# KiCad board SandyLPD_Base.kicad_pcb (continued)
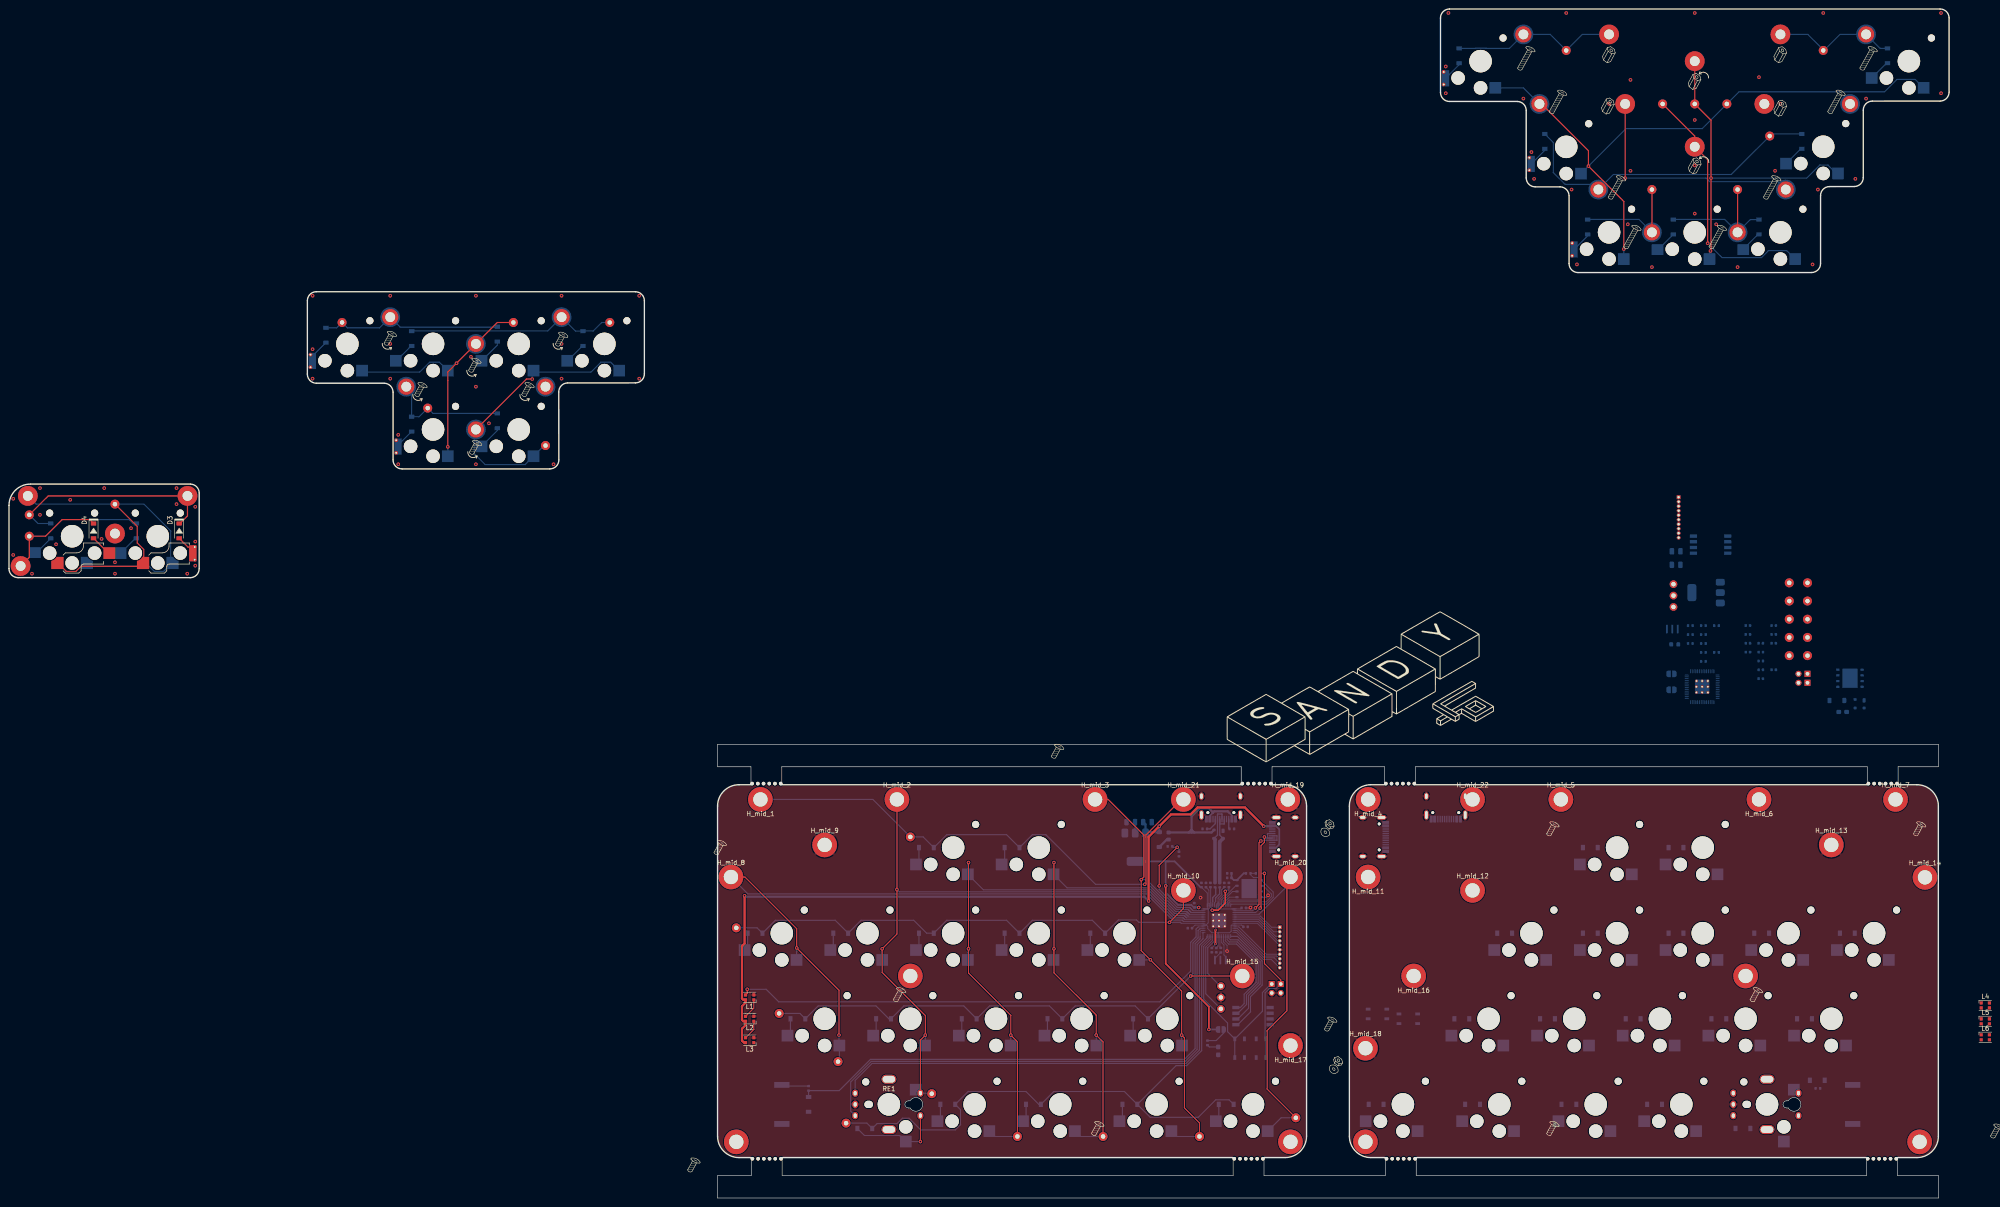
[diagram p0: board, top side]
## Placement (name value [footprint] x y rotation side) (continued)
REF**#94  -  [ICON_arrow_round_small]  161.96 69.85 0 bottom
REF**#95  -  [ICON_Nut]  293.5 45.29 180 bottom
REF**#96  -  [ICON_Nut]  248.64 99.42 180 bottom
REF**#97  -  [ICON_Spacer]  150.97 6.22 180 bottom
REF**#98  -  [ICON_Nut & Washer]  362.29 215.73 0 bottom
REF**#99  -  [ICON_Spacer]  439.7 9.79 180 bottom
REF**#100  -  [ICON_Nut & Washer]  357.1 227.74 0 bottom
SD1  Schottky diode  [D_SOD-123]  255.79 79.77 270 bottom
SD2  Schottky diode  [D_SOD-123]  406.46 110.73 180 bottom
STLED1  LED_GREEN  [LED_0603_1608Metric_Pad1.05x0.95mm_HandSolder]  268.88 32.74 90 bottom
STLED2  LED_GREEN  [LED_0603_1608Metric_Pad1.05x0.95mm_HandSolder]  407.75 108.18 180 bottom
SW1  BOOT_ALT  [SW_SPST_PTS810]  278.41 33.34 270 bottom
SW2  RESET_ALT  [SW_SPST_PTS810]  273.65 33.34 270 bottom
SW3  SW_DIP_x04  [SW_DIP_SPSTx04_Slide_Copal_CHS-04B_W7.62mm_P1.27mm]  276.62 40.48 0 bottom
SW4  BOOT_ALT  [SW_SPST_PTS810]  311.15 39.89 180 bottom
SW5  RESET_ALT  [SW_SPST_PTS810]  304.3 40.96 180 bottom
SW6  SW_DIP_x04  [SW_DIP_SPSTx04_Slide_Copal_CHS-04B_W7.62mm_P1.27mm]  378.37 145.41 180 bottom
SW_1  W  [Kailh_socket_ChocV2]  209.95 77.99 0 top
SW_2  E  [Kailh_socket_ChocV2]  229 77.99 0 top
SW_3  I  [Kailh_socket_ChocV2]  357.58 77.99 0 top
SW_4  O  [Kailh_socket_ChocV2]  376.63 77.99 0 top
SW_5  LCTL  [Kailh_socket_ChocV2]  171.85 58.94 0 top
SW_6  A  [Kailh_socket_ChocV2]  190.9 58.94 0 top
SW_7  S  [Kailh_socket_ChocV2]  209.95 58.94 0 top
SW_8  D  [Kailh_socket_ChocV2]  229 58.94 0 top
SW_9  F  [Kailh_socket_ChocV2]  248.05 58.94 0 top
SW_10  J  [Kailh_socket_ChocV2]  338.53 58.94 0 top
SW_11  K  [Kailh_socket_ChocV2]  357.58 58.94 0 top
SW_12  L  [Kailh_socket_ChocV2]  376.63 58.94 0 top
SW_13  -  [Kailh_socket_ChocV2]  395.68 58.94 0 top
SW_14  ENT  [Kailh_socket_ChocV2]  414.73 58.94 0 top
SW_15  Z  [Kailh_socket_ChocV2]  181.37 39.89 0 top
SW_16  X  [Kailh_socket_ChocV2]  200.42 39.89 0 top
SW_17  C  [Kailh_socket_ChocV2]  219.47 39.89 0 top
SW_18  V  [Kailh_socket_ChocV2]  238.52 39.89 0 top
SW_19  B  [Kailh_socket_ChocV2]  257.57 39.89 0 top
SW_20  N  [Kailh_socket_ChocV2]  329.01 39.89 0 top
SW_21  M  [Kailh_socket_ChocV2]  348.06 39.89 0 top
SW_22  <,  [Kailh_socket_ChocV2]  367.11 39.89 0 top
SW_23  >.  [Kailh_socket_ChocV2]  386.16 39.89 0 top
SW_24  ?/  [Kailh_socket_ChocV2]  405.21 39.89 0 top
SW_25  L_RE  [ChocV2_AND_RotaryEncoder_Alps_EC11K-Switch_Vertical_H20mm_NPTH_MP_minimal]  195.66 20.84 90 top
SW_26  R_RE  [ChocV2_AND_RotaryEncoder_Alps_EC11K-Switch_Vertical_H20mm_NPTH_MP_minimal]  390.92 20.84 90 top
SW_27  LALT  [Kailh_socket_ChocV2]  233.76 20.84 0 top
SW_28  LSPC  [Kailh_socket_ChocV2]  255.19 20.84 0 top
SW_29  L_CNT  [Kailh_socket_ChocV2]  276.62 20.84 0 top
SW_30  R_CNT  [Kailh_socket_ChocV2]  309.96 20.84 0 top
SW_31  RSPC  [Kailh_socket_ChocV2]  331.39 20.84 0 top
SW_32  RALT  [Kailh_socket_ChocV2]  352.82 20.84 0 top
SW_33  RWIN  [Kailh_socket_ChocV2]  371.87 20.84 0 top
SW_'1  SW_Push  [Kailh_socket_ChocV2]  113.35 171.03 0 top
SW_;1  SW_Push  [Kailh_socket_ChocV2_small_#2pad]  94.3 171.03 0 top
SW_[1  SW_Push  [Kailh_socket_ChocV2_small_#2pad]  75.25 190.08 0 top
SW_]1  SW_Push  [Kailh_socket_ChocV2]  94.3 190.08 0 top
SW_BS1  SW_Push  [Kailh_socket_ChocV2_for_Reverse_no_hole]  14.04 147.28 180 bottom
SW_G1  SW_Push  [Kailh_socket_ChocV2_small_#2pad]  346.27 233.93 0 top
SW_H1  SW_Push  [Kailh_socket_ChocV2]  403.42 233.96 0 top
SW_LWIN1  LWIN  [Kailh_socket_ChocV2]  214.71 20.84 0 top
SW_P1  SW_Push  [Kailh_socket_ChocV2_small_#2pad_for_Reverse_no_hole]  33.09 147.28 180 bottom
SW_Q1  SW_Push  [Kailh_socket_ChocV2_for_Reverse]  33.09 147.28 0 top
SW_R1  SW_Push  [Kailh_socket_ChocV2_small_#2pad]  327.22 253.01 0 top
SW_R4CNT_C1  SW_Push  [Kailh_socket_ChocV2_narrow_#2pad]  374.85 214.91 0 top
SW_R4CNT_L1  SW_Push  [Kailh_socket_ChocV2_small_#2pad]  355.8 214.91 0 top
SW_R4CNT_R1  SW_Push  [Kailh_socket_ChocV2_narrow_#2pad]  393.9 214.91 0 top
SW_T1  SW_Push  [Kailh_socket_ChocV2]  132.4 190.08 0 top
SW_TAB1  SW_Push  [Kailh_socket_ChocV2_for_Reverse_narrow_#2pad]  14.04 147.28 0 top
SW_U1  SW_Push  [Kailh_socket_ChocV2]  422.47 253.01 0 top
SW_Y1  SW_Push  [Kailh_socket_ChocV2]  113.35 190.08 0 top
T_C0/C6  Conn_01x01  [TestPoint_THTPad_D2.0mm_Drill1.0mm]  23.56 154.42 180 bottom
T_L_C0  Conn_01x01  [TestPoint_THTPad_D2.0mm_Drill1.0mm]  184.35 30.36 180 bottom
T_L_C1  Conn_01x01  [TestPoint_THTPad_D2.0mm_Drill1.0mm]  205.18 23.22 180 bottom
T_L_C2  Conn_01x01  [TestPoint_THTPad_D2.0mm_Drill1.0mm]  224.23 13.69 180 bottom
T_L_C3  Conn_01x01  [TestPoint_THTPad_D2.0mm_Drill1.0mm]  243.28 13.69 0 bottom
T_L_C4  Conn_01x01  [TestPoint_THTPad_D2.0mm_Drill1.0mm]  264.72 13.69 180 bottom
T_L_C5  Conn_01x01  [TestPoint_THTPad_D2.0mm_Drill1.0mm]  286.15 17.86 180 bottom
T_L_R0  Conn_01x01  [TestPoint_THTPad_D2.0mm_Drill1.0mm]  200.42 80.37 180 bottom
T_L_R1  Conn_01x01  [TestPoint_THTPad_D2.0mm_Drill1.0mm]  161.73 60.13 180 bottom
T_L_R2  Conn_01x01  [TestPoint_THTPad_D2.0mm_Drill1.0mm]  171.25 41.08 180 bottom
T_L_R3  Conn_01x01  [TestPoint_THTPad_D2.0mm_Drill1.0mm]  186.13 16.67 180 bottom
T_R0  Conn_01x01  [TestPoint_THTPad_D2.0mm_Drill1.0mm]  4.51 152.04 0 bottom
T_R4  Conn_01x01  [TestPoint_THTPad_D2.0mm_Drill1.0mm]  4.51 147.28 0 bottom
T_R_C0  Conn_01x01  [TestPoint_THTPad_D2.0mm_Drill1.0mm]  395.87 132.86 180 bottom
T_R_C1  Conn_01x01  [TestPoint_THTPad_D2.0mm_Drill1.0mm]  395.87 136.91 180 bottom
T_R_C2  Conn_01x01  [TestPoint_THTPad_D2.0mm_Drill1.0mm]  399.92 120.71 180 bottom
T_R_C3  Conn_01x01  [TestPoint_THTPad_D2.0mm_Drill1.0mm]  399.92 124.76 180 bottom
T_R_C4  Conn_01x01  [TestPoint_THTPad_D2.0mm_Drill1.0mm]  399.92 128.81 180 bottom
T_R_C5  Conn_01x01  [TestPoint_THTPad_D2.0mm_Drill1.0mm]  399.92 132.86 180 bottom
T_R_R0  Conn_01x01  [TestPoint_THTPad_D2.0mm_Drill1.0mm]  395.87 128.81 180 bottom
T_R_R1  Conn_01x01  [TestPoint_THTPad_D2.0mm_Drill1.0mm]  395.87 124.76 180 bottom
T_R_R2  Conn_01x01  [TestPoint_THTPad_D2.0mm_Drill1.0mm]  395.87 120.71 180 bottom
T_R_R3  Conn_01x01  [TestPoint_THTPad_D2.0mm_Drill1.0mm]  399.92 136.91 180 bottom
U1  NCP1117-3.3_SOT223  [SOT-223-3_TabPin2]  250.43 78.07 270 bottom
U2  NCP1117-3.3_SOT223  [SOT-223-3_TabPin2]  377.37 134.73 180 bottom
U3  RP2040  [RP2040-QFN-56]  269.06 61.74 180 bottom
U4  W25Q128JVPIQ  [WSON-8-1EP_6x5mm_P1.27mm_EP3.4x4.3mm]  275.76 68.85 180 bottom
U5  RP2040  [RP2040-QFN-56]  376.5 113.79 180 bottom
U6  W25Q128JVPIQ  [WSON-8-1EP_6x5mm_P1.27mm_EP3.4x4.3mm]  409.36 115.67 180 bottom
Y1  12MHz  [Resonator_SMD_Murata_CSTxExxV-3Pin_3.0x1.1mm]  269.36 52.95 180 bottom
Y2  12MHz  [Resonator_SMD_Murata_CSTxExxV-3Pin_3.0x1.1mm]  369.85 126.62 180 bottom

## Library data of the parts
C1 C2 C17 C18 = -: LCSC: C15850; ki_fp_filters: C_*
C3-C12 C19-C21 C24 C28-C33 = -: LCSC: C1525; ki_fp_filters: C_*
C13-C15 C34-C36 = -: LCSC: C307418; ki_fp_filters: C_*
D1 D1#2 D2 D2#2 D3 D3#2 D3#4 D4 D4#2 D4#3 D5 D6 D7#2 D9 D11 D12#2 D13 = -: LCSC: C81598; Sim.Pins: 1=K 2=A
D1#3 D2#3 D3#3 D4#4 D5#2 D6#2 D7 D8 D9#2 D10 D11#2 D12 D13#2 D14-D35 D45 = -: LCSC: C81598; Sim.Pins: 1=K 2=A; ki_fp_filters: TO-???* *_Diode_* *SingleDiode* D_*
D36 D40 = -: Datasheet: https://assets.nexperia.com/documents/data-sheet/PRTR5V0U2X.pdf; LCSC: C78442; ki_fp_filters: SOT?143*
F1 F2 = -: LCSC: C187605; ki_fp_filters: *polyfuse* *PTC*
H_btm_1-H_btm_6 = -: ki_fp_filters: MountingHole*
H_mid_1-H_mid_22 = -: ki_fp_filters: MountingHole*Pad*
J1 = -: Description: Generic connector, double row, 02x02, odd/even pin numbering scheme (row 1 odd numbers, row 2 even numbers), script generated (kicad-library-utils/schlib/autogen/connector/); text: RESET; text2: BOOT; ki_fp_filters: Connector*:*_2x??_*
J2 J11 = -: Description: Generic connector, single row, 01x03, script generated (kicad-library-utils/schlib/autogen/connector/); ki_fp_filters: Connector*:*_1x??_*
J4 J10 = -: Description: Generic connector, single row, 01x10, script generated; ki_fp_filters: Connector*:*_1x??_*
J5-J8 = -: Datasheet: https://www.usb.org/sites/default/files/documents/usb_type-c.zip; Description: USB 2.0-only 16P Type-C Receptacle connector; LCSC: C165948; ki_fp_filters: USB*C*Receptacle*
J9 = -: Description: Generic connector, double row, 02x02, odd/even pin numbering scheme (row 1 odd numbers, row 2 even numbers), script generated (kicad-library-utils/schlib/autogen/connector/); ki_fp_filters: Connector*:*_2x??_*
JP1-JP3 = -: Description: Solder Jumper, 2-pole, open; ki_fp_filters: SolderJumper*Open*
L1-L6 = -: Datasheet: https://cdn-shop.adafruit.com/product-files/4684/4684_WS2812B-2020_V1.3_EN.pdf; Description: RGB LED with integrated controller, 2.0 x 2.0 mm, 12 mA; ki_fp_filters: LED*WS2812*-2020_PLCC4*
LOGO1 = -: Text: @jpskenn
LS1 LS4 = -: LCSC-Reserve: C910763
R1 R5-R7 R9 R14 R21 R22 = -: LCSC: C11702; ki_fp_filters: R_*
R2 R3 R17 R18 = -: LCSC: C25100; ki_fp_filters: R_*
R4 R8 R19 R20 = -: LCSC: C25744; ki_fp_filters: R_*
R10-R13 R15 R16 = -: LCSC: C25905; ki_fp_filters: R_*
SD1 SD2 = -: LCSC: C8598; ki_fp_filters: TO-???* *_Diode_* *SingleDiode* D_*
STLED1 = -: Datasheet: https://akizukidenshi.com/catalog/g/g108275/; ki_fp_filters: LED* LED_SMD:* LED_THT:*
STLED2 = -: ki_fp_filters: LED* LED_SMD:* LED_THT:*
SW1 SW2 SW4 SW5 = -: LCSC-Reserve: C116501
SW3 SW6 = -: Datasheet: https://akizukidenshi.com/goodsaffix/KHS.pdf; Description: 4x DIP Switch, Single Pole Single Throw (SPST) switch, small symbol; ki_fp_filters: SW?DIP?x4*
SW_25 = -: text: RE1; ki_fp_filters: RotaryEncoder*Switch*
SW_26 = -: ki_fp_filters: RotaryEncoder*Switch*
T_L_C0-T_L_C5 T_L_R0-T_L_R3 T_R_C0-T_R_C5 T_R_R0-T_R_R3 = -: ki_fp_filters: Connector*:*_1x??_*
U1 U2 = -: Datasheet: http://www.onsemi.com/pub_link/Collateral/NCP1117-D.PDF; Description: 1A Low drop-out regulator, Fixed Output 3.3V, SOT-223; LCSC: C347222; ki_fp_filters: SOT?223*TabPin2*
U3 U5 = -: Datasheet: https://datasheets.raspberrypi.com/rp2040/rp2040-datasheet.pdf; Description: A microcontroller by Raspberry Pi; LCSC: C2040; ki_fp_filters: QFN*1EP*7x7mm?P0.4mm*
U4 U6 = -: Datasheet: https://www.winbond.com/resource-files/w25q128jv_dtr%20revc%2003272018%20plus.pdf; Description: 128Mb Serial Flash Memory, Standard/Dual/Quad SPI, WSON-8; LCSC: C190862; ki_fp_filters: WSON*1EP*6x5mm*P1.27mm*EP3.4x4.3mm*
Y1 Y2 = -: MFR.Part #: CSTNE12M0G550000R0; LCSC: C341520; ki_fp_filters: Crystal*

## Footprints (pads in the part's own frame, mm; a bottom-side part is the same pattern mirrored in y, then rotated)
Buzzer_Murata_PKMCS0909E
  rect 1.3x3.4 smd: 1(-4.35,0) 2(4.35,0)
C_0402_1005Metric
  rrect 0.56x0.62 smd: 1(-0.48,0) 2(0.48,0)
C_0805_2012Metric
  rrect 1x1.45 smd: 1(-0.95,0) 2(0.95,0)
ChocV2_AND_RotaryEncoder_Alps_EC11K-Switch_Vertical_H20mm_NPTH_MP_minimal
  oval 2x3.3 hole 1.5x2.8: (-5.6,0) (5.6,0)
  round 3 hole 3 unplated: (-5,-3.75)
  oval 1.6x1.9 hole 1.6x1.9 unplated: (0,4.5)
  round 5 hole 5 unplated: (0,0)
  round 1.6 hole 1.6 unplated: (5,5.15)
  oval 1.6x1.3 hole 1x0.7: A(2.5,7.5) B(-2.5,7.5) C(0,7.5) S1(2.5,-7) S2(-2.5,-7)
  rect 2.6x2.6 smd far side: S1(3.275,-5.95) S2(-8.275,-3.75)
D_SOD-123
  rrect 0.9x1.2 smd: 1(-1.65,0) 2(1.65,0)
D_SOD-123_Emphasized_Direction_Line
  rect 0.9x1.2 smd: 1(-1.65,0) 2(1.65,0)
D_SOD-123_Emphasized_Direction_Line_Reference_on_bottom
  rect 0.9x1.2 smd: 1(-1.65,0) 2(1.65,0)
Fuse_0603_1608Metric
  rrect 0.875x0.95 smd: 1(-0.787,0) 2(0.787,0)
Kailh_socket_ChocV2
  round 3 hole 3 unplated: (-5,-3.75) (0,-5.95)
  round 5 hole 5 unplated: (0,0)
  round 1.6 hole 1.6 unplated: (5,5.15)
  rect 2.6x2.6 smd far side: 1(3.275,-5.95) 2(-8.275,-3.75)
Kailh_socket_ChocV2_for_Reverse
  round 3 hole 3 unplated: (-5,-3.75) (0,-5.95)
  round 5 hole 5 unplated: (0,0)
  round 1.6 hole 1.6 unplated: (5,5.15)
  custom 2.72x2.72 smd far side: 1(2.812,-6.3)
  rect 2.6x2.6 smd far side: 2(-8.275,-3.75)
Kailh_socket_ChocV2_for_Reverse_narrow_#2pad
  round 3 hole 3 unplated: (-5,-3.75) (0,-5.95)
  round 5 hole 5 unplated: (0,0)
  round 1.6 hole 1.6 unplated: (5,5.15)
  custom 2.72x2.72 smd far side: 1(2.812,-6.3)
  rect 2.6x2.4 smd far side: 2(-8.275,-3.65)
Kailh_socket_ChocV2_for_Reverse_no_hole
  round 3 hole 3 unplated: (-5,-3.75)
  round 1.6 hole 1.6 unplated: (5,5.15)
  custom 2.72x2.72 smd far side: 1(2.812,-6.3)
  rect 2.6x2.6 smd far side: 2(-8.275,-3.75)
Kailh_socket_ChocV2_narrow_#2pad
  round 3 hole 3 unplated: (-5,-3.75) (0,-5.95)
  round 5 hole 5 unplated: (0,0)
  round 1.6 hole 1.6 unplated: (5,5.15)
  rect 2.6x2.6 smd far side: 1(3.275,-5.95)
  rect 2.6x2.4 smd far side: 2(-8.275,-3.85)
Kailh_socket_ChocV2_small_#2pad
  round 3 hole 3 unplated: (-5,-3.75) (0,-5.95)
  round 5 hole 5 unplated: (0,0)
  round 1.6 hole 1.6 unplated: (5,5.15)
  rect 2.6x2.6 smd far side: 1(3.275,-5.95)
  round 0.8 hole 0.4: 2(-8.2,-2.4) 2(-8.2,-5.2)
  rect 1.625x3.6 smd far side: 2(-7.787,-3.8)
Kailh_socket_ChocV2_small_#2pad_for_Reverse_no_hole
  round 3 hole 3 unplated: (-5,-3.75)
  round 1.6 hole 1.6 unplated: (5,5.15)
  custom 2.72x2.72 smd far side: 1(2.8,-6.338)
  round 0.8 hole 0.4: 2(-8.2,-5.2) 2(-8.2,-2.4)
  rect 1.625x3.6 smd far side: 2(-7.787,-3.8)
LED_0603_1608Metric_Pad1.05x0.95mm_HandSolder
  rrect 1.05x0.95 smd: 1(-0.875,0) 2(0.875,0)
LED_WS2812B-2020_PLCC4_2.0x2.0mm
  rect 0.7x0.7 smd: 1(-0.915,0.55) 2(-0.915,-0.55) 3(0.915,-0.55) 4(0.915,0.55)
MountingHole_1.8-2.2mm_M2_Pad_minimal
  round 3.6 hole 2.2: 1(0,0)
  round 4.4 smd far side: 1(0,0)
MountingHole_2.2mm_M2_Pad_minimal
  round 4.4 hole 2.2: 1(0,0)
MountingHole_M2_Through-hole_tap_THC-0.8-x-2
  round 4.4 smd: 1(0,0)
  round 4.4 smd far side: 1(0,0)
  round 5.5 hole 3.2: 1(0,0)
PinHeader_1x03_P2.54mm_Vertical_All_circle
  round 1.7 hole 1: 1(0,0)
  oval 1.7x1.7 hole 1: 2(0,-2.54) 3(0,-5.08)
PinHeader_1x10_P1.00mm_Vertical
  rect 0.85x0.85 hole 0.5: 1(0,0)
  oval 0.85x0.85 hole 0.5: 2(0,-1) 3(0,-2) 4(0,-3) 5(0,-4) 6(0,-5) 7(0,-6) 8(0,-7) 9(0,-8) 10(0,-9)
PinHeader_2x02_P2.00mm_Vertical_2pair
  rect 1.35x1.35 hole 0.8: 1(0,0) 3(0,-2)
  oval 1.35x1.35 hole 0.8: 2(2,0) 4(2,-2)
R_0402_1005Metric
  rrect 0.54x0.64 smd: 1(-0.51,0) 2(0.51,0)
Resonator_SMD_Murata_CSTxExxV-3Pin_3.0x1.1mm
  rect 0.4x1.9 smd: 1(-1.2,0) 2(0,0) 3(1.2,0)
RP2040-QFN-56
  rrect 1.084x1.084 smd: (-0.637,-0.637) (-0.637,0.637) (0.637,-0.637) (0.637,0.637)
  rrect 0.875x0.2 smd: 1(-3.438,2.6) 2(-3.438,2.2) 3(-3.438,1.8) 4(-3.438,1.4) 5(-3.438,1) 6(-3.438,0.6) 7(-3.438,0.2) 8(-3.438,-0.2) 9(-3.438,-0.6) 10(-3.438,-1) 11(-3.438,-1.4) 12(-3.438,-1.8) 13(-3.438,-2.2) 14(-3.438,-2.6) 29(3.438,-2.6) 30(3.438,-2.2) 31(3.438,-1.8) 32(3.438,-1.4) 33(3.438,-1) 34(3.438,-0.6) 35(3.438,-0.2) 36(3.438,0.2) 37(3.438,0.6) 38(3.438,1) 39(3.438,1.4) 40(3.438,1.8) 41(3.438,2.2) 42(3.438,2.6)
  rrect 0.2x0.875 smd: 15(-2.6,-3.438) 16(-2.2,-3.438) 17(-1.8,-3.438) 18(-1.4,-3.438) 19(-1,-3.438) 20(-0.6,-3.438) 21(-0.2,-3.438) 22(0.2,-3.438) 23(0.6,-3.438) 24(1,-3.438) 25(1.4,-3.438) 26(1.8,-3.438) 27(2.2,-3.438) 28(2.6,-3.438) 43(2.6,3.438) 44(2.2,3.438) 45(1.8,3.438) 46(1.4,3.438) 47(1,3.438) 48(0.6,3.438) 49(0.2,3.438) 50(-0.2,3.438) 51(-0.6,3.438) 52(-1,3.438) 53(-1.4,3.438) 54(-1.8,3.438) 55(-2.2,3.438) 56(-2.6,3.438)
  round 0.6 hole 0.35: 57(-1.275,-1.275) 57(-1.275,0) 57(-1.275,1.275) 57(0,-1.275) 57(0,0) 57(0,1.275) 57(1.275,-1.275) 57(1.275,0) 57(1.275,1.275)
  rrect 3.2x3.2 smd: 57(0,0)
SandyLP-Duo_outline_Base
  round 0.787 hole 0.787 unplated: (-128.048,52.342) (-127.984,-31.14) (-126.778,52.342) (-126.713,-31.14) (-125.508,52.342) (-125.444,-31.14) (-124.238,52.342) (-124.174,-31.14) (-122.968,52.342) (-122.903,-31.14) (-121.698,52.342) (-121.633,-31.14) (-20.827,-31.14) (-19.557,-31.14) (-19.041,52.342) (-18.287,-31.14) (-17.771,52.342) (-17.017,-31.14) (-16.502,52.342) (-15.747,-31.14) (-15.232,52.342) (-14.477,-31.14) (-13.961,52.342) (-12.691,52.342) (12.859,52.342) (13.018,-31.14) (14.129,52.342) (14.287,-31.14) (15.399,52.342) (15.557,-31.14) (16.669,52.342) (16.828,-31.14) (17.939,52.342) (18.098,-31.14) (19.209,52.342) (19.367,-31.14) (120.015,-31.14) (120.174,52.342) (121.285,-31.14) (121.444,52.342) (122.555,-31.14) (122.714,52.342) (123.825,-31.14) (123.984,52.342) (125.095,-31.14) (125.254,52.342) (126.365,-31.14) (126.524,52.342)
SolderJumper-2_P1.3mm_Open_RoundedPad1.0x1.5mm
  custom 1x1.5 smd: 1(-0.65,0) 2(0.65,0)
SOT-143
  rrect 0.7x1 smd: 1(-1,0.75)
  rrect 0.7x0.6 smd: 2(-1,-0.95) 3(1,-0.95) 4(1,0.95)
SOT-223-3_TabPin2
  rrect 2x1.5 smd: 1(-3.15,2.3) 2(-3.15,0) 3(-3.15,-2.3)
  rrect 2x3.8 smd: 2(3.15,0)
SW_DIP_SPSTx04_Slide_Copal_CHS-04B_W7.62mm_P1.27mm
  rect 1.6x0.76 smd: 1(-3.81,1.905) 2(-3.81,0.635) 3(-3.81,-0.635) 4(-3.81,-1.905) 5(3.81,-1.905) 6(3.81,-0.635) 7(3.81,0.635) 8(3.81,1.905)
SW_SPST_PTS810
  rect 1.05x0.65 smd: 1(-2.075,1.075) 1(2.075,1.075) 2(-2.075,-1.075) 2(2.075,-1.075)
TestPoint_THTPad_D2.0mm_Drill1.0mm
  round 2 hole 1: 1(0,0)
USB_C_Receptacle_HRO_TYPE-C-31-M-12
  round 0.65 hole 0.65 unplated: (-2.89,2.6) (2.89,2.6)
  rect 0.6x1.45 smd: A1(-3.25,4.045) A4(-2.45,4.045) A9(2.45,4.045) A12(3.25,4.045) B1(3.25,4.045) B4(2.45,4.045) B9(-2.45,4.045) B12(-3.25,4.045)
  rect 0.3x1.45 smd: A5(-1.25,4.045) A6(-0.25,4.045) A7(0.25,4.045) A8(1.25,4.045) B5(1.75,4.045) B6(0.75,4.045) B7(-0.75,4.045) B8(-1.75,4.045)
  oval 1x1.6 hole 0.6x1.2: S1(-4.32,-1.05) S1(4.32,-1.05)
  oval 1x2.1 hole 0.6x1.7: S1(-4.32,3.13) S1(4.32,3.13)
WSON-8-1EP_6x5mm_P1.27mm_EP3.4x4.3mm
  rrect 1.37x1.73 smd: (-0.85,-1.075) (-0.85,1.075) (0.85,-1.075) (0.85,1.075)
  rrect 0.75x0.5 smd: 1(-2.7,1.905) 2(-2.7,0.635) 3(-2.7,-0.635) 4(-2.7,-1.905) 5(2.7,-1.905) 6(2.7,-0.635) 7(2.7,0.635) 8(2.7,1.905)
  rect 3.4x4.3 smd: 9(0,0)

## Nets
+1V1: C3.1 C4.1 C14.1 U3.23 U3.45 U3.50
+1V1_R: C19.1 C20.1 C35.1 U5.23 U5.45 U5.50
+3V3: C2.1 C5.1 C6.1 C7.1 C8.1 C9.1 C10.1 C11.1 C12.1 C13.1 C15.1 JP1.1 R4.1 U1.2 U3.1 U3.10 U3.22 U3.33 U3.42 U3.43 U3.44 U3.48 U3.49 U4.8
+3V3_R: C18.1 C21.1 C24.1 C28.1 C29.1 C30.1 C31.1 C32.1 C33.1 C34.1 C36.1 JP3.1 R20.1 U2.2 U5.1 U5.10 U5.22 U5.33 U5.42 U5.43 U5.44 U5.48 U5.49 U6.8
+5V: C1.1 J6.A4 J6.A9 J6.B4 J6.B9 L1.4 L2.4 L3.4 SD1.1 U1.3
+5V_R: C17.1 J7.A4 J7.A9 J7.B4 J7.B9 L4.4 L5.4 L6.4 SD2.1 U2.3
GND: C1.2 C2.2 C3.2 C4.2 C5.2 C6.2 C7.2 C8.2 C9.2 C10.2 C11.2 C12.2 C13.2 C14.2 C15.2 D35.2 D36.1 H4.1 H4#3.1 H5.1 H_mid_9.1 H_mid_17.1 H_mid_19.1 H_top_5.1 J1.2 J1.4 J2.2 J4.6 J5.A1 J5.A12 J5.B1 J5.B12 J5.S1 J6.A1 J6.A12 J6.B1 J6.B12 J6.S1 L1.2 L2.2 L3.2 LS1.2 R8.2 R10.2 R11.2 STLED1.1 SW1.1 SW2.2 SW3.5 SW3.6 SW3.7 SW3.8 SW_25.C U1.1 U3.19 U3.57 U4.4 Y1.2
GND_R: C17.2 C18.2 C19.2 C20.2 C21.2 C24.2 C28.2 C29.2 C30.2 C31.2 C32.2 C33.2 C34.2 C35.2 C36.2 D40.1 D45.2 H_mid_4.1 H_mid_13.1 H_mid_18.1 J7.A1 J7.A12 J7.B1 J7.B12 J7.S1 J8.A1 J8.A12 J8.B1 J8.B12 J8.S1 J9.2 J9.4 J10.6 J11.2 L4.2 L5.2 L6.2 LS4.2 R13.2 R15.2 R19.2 STLED2.1 SW4.1 SW5.2 SW6.5 SW6.6 SW6.7 SW6.8 SW_26.C U2.1 U5.19 U5.57 U6.4 Y2.2
VBUS: D36.4 F1.1 J5.A4 J5.A9 J5.B4 J5.B9
VBUS_R: D40.4 F2.1 J8.A4 J8.A9 J8.B4 J8.B9
L_Audio: D35.1 R9.2 U3.30
L_col0: H_mid_8.1 SW_5.1 SW_15.1 T_L_C0.1 U3.35
L_col1: H_mid_2.1 SW_6.1 SW_16.1 SW_25.S1 T_L_C1.1 U3.36
L_col2: SW_1.1 SW_7.1 SW_17.1 SW_LWIN1.1 T_L_C2.1 U3.37
L_col3: SW_2.1 SW_8.1 SW_18.1 SW_27.1 T_L_C3.1 U3.38
L_col4: H_mid_3.1 SW_9.1 SW_19.1 SW_28.1 T_L_C4.1 U3.40
L_col5: H_mid_20.1 SW_29.1 T_L_C5.1 U3.4
L_D+: D36.2 J5.A6 J5.B6 R2.2
L_D-: D36.3 J5.A7 J5.B7 R3.2
L_dip1: SW3.1 U3.15
L_dip2: SW3.2 U3.16
L_dip3: SW3.3 U3.17
L_dip4: SW3.4 U3.18
L_LED: L1.3 U3.32
L_QSPI_SCLK: U3.52 U4.6
L_QSPI_SD0: U3.53 U4.5
L_QSPI_SD1: U3.55 U4.2
L_QSPI_SD2: U3.54 U4.3
L_QSPI_SD3: U3.51 U4.7
L_QSPI_SS: R4.2 R5.2 U3.56 U4.1
L_RE_A: SW_25.A U3.28
L_RE_B: SW_25.B U3.29
L_RESERVE1: J4.1 U3.5
L_RESERVE2: J4.2 U3.6
L_RESERVE3: J4.3 U3.7
L_RESERVE4: J4.4 U3.8
L_RESERVE5: J4.5 U3.9
L_RESERVE6: J4.7 U3.11
L_RESERVE7: J4.8 U3.12
L_RESERVE8: J4.9 U3.13
L_RESERVE9: J4.10 U3.14
L_RESET: J1.1 SW2.1 U3.26
L_row0: D1#3.1 D2#3.1 H_mid_1.1 H_mid_21.1 T_L_R0.1 U3.39
L_row1: D5#2.1 D6#2.1 D7.1 D8.1 D9#2.1 H_mid_10.1 T_L_R1.1 U3.34
L_row2: D15.1 D16.1 D17.1 D18.1 D19.1 H_mid_15.1 T_L_R2.1 U3.31
L_row3: D25.1 D26.1 D27.1 D28.1 D33.1 T_L_R3.1 U3.27
L_RX: J6.A7 J6.B7 U3.3
L_SWCLK: J2.1 U3.24
L_SWD: J2.3 U3.25
L_TX/SERIAL: J6.A6 J6.B6 U3.2
L_USB_BOOT: J1.3 R5.1 SW1.2
L_VBUS_detection: R8.1 R12.1 U3.41
R_Audio: D45.1 R14.2 U5.29
R_col0: H_mid_14.1 SW_14.1 SW_24.1 T_R_C0.1 U5.18
R_col1: H_mid_6.1 SW_13.1 SW_23.1 SW_26.S1 T_R_C1.1 U5.6
R_col2: SW_4.1 SW_12.1 SW_22.1 SW_33.1 T_R_C2.1 U5.8
R_col3: SW_3.1 SW_11.1 SW_21.1 SW_32.1 T_R_C3.1 U5.7
R_col4: H_mid_5.1 SW_10.1 SW_20.1 SW_31.1 T_R_C4.1 U5.9
R_col5: H_mid_11.1 SW_30.1 T_R_C5.1 U5.4
R_D+: D40.2 J8.A6 J8.B6 R17.2
R_D-: D40.3 J8.A7 J8.B7 R18.2
R_dip1: SW6.1 U5.5
R_dip2: SW6.2 U5.27
R_dip3: SW6.3 U5.12
R_dip4: SW6.4 U5.17
R_GPIO12: J10.7 U5.15
R_GPIO22: J10.1 U5.34
R_GPIO23: J10.2 U5.35
R_GPIO24: J10.3 U5.36
R_GPIO25: J10.4 U5.37
R_GPIO26: J10.5 U5.38
R_GPIO27: J10.8 U5.39
R_GPIO28: J10.9 U5.40
R_GPIO29: J10.10 U5.41
R_LED: L4.3 U5.30
R_QSPI_SCLK: U5.52 U6.6
R_QSPI_SD0: U5.53 U6.5
R_QSPI_SD1: U5.55 U6.2
R_QSPI_SD2: U5.54 U6.3
R_QSPI_SD3: U5.51 U6.7
R_QSPI_SS: R20.2 R21.2 U5.56 U6.1
R_RE_A: SW_26.A U5.13
R_RE_B: SW_26.B U5.14
R_RESET: J9.1 SW5.1 U5.26
R_row0: D3#3.1 D4#4.1 H_mid_7.1 H_mid_22.1 T_R_R0.1 U5.31
R_row1: D10.1 D11#2.1 D12.1 D13#2.1 D14.1 H_mid_12.1 T_R_R1.1 U5.11
R_row2: D20.1 D21.1 D22.1 D23.1 D24.1 H_mid_16.1 T_R_R2.1 U5.28
R_row3: D29.1 D30.1 D31.1 D32.1 D34.1 T_R_R3.1 U5.16
R_RX: J7.A6 J7.B6 JP2.1 U5.3
R_SWCLK: J11.1 U5.24
R_SWD: J11.3 U5.25
R_TX/SERIAL: J7.A7 J7.B7 JP2.2 U5.2
R_USB_BOOT: J9.3 R21.1 SW4.2
R_VBUS_detection: R16.1 R19.1 U5.32
Net-(D1-A): D1.2 D1#2.2 D1#3.2 SW_1.2 SW_[1.2 SW_TAB1.2
Net-(D2-A): D2.2 D2#2.2 D2#3.2 SW_2.2 SW_]1.2 SW_Q1.2
Net-(D3-A): D3.2 D3#2.2 D3#3.2 D3#4.2 SW_3.2 SW_P1.2 SW_R1.2 SW_Y1.2
Net-(D4-A): D4.2 D4#2.2 D4#3.2 D4#4.2 SW_4.2 SW_BS1.2 SW_T1.2 SW_U1.2
Net-(D5-A): D5.2 D5#2.2 SW_5.2 SW_;1.2
Net-(D6-A): D6.2 D6#2.2 SW_6.2 SW_'1.2
Net-(D7-A): D7.2 D7#2.2 SW_7.2 SW_G1.2
Net-(D8-A): D8.2 SW_8.2
Net-(D9-A): D9.2 D9#2.2 SW_9.2 SW_H1.2
Net-(D10-A): D10.2 SW_10.2
Net-(D11-A): D11.2 D11#2.2 SW_11.2 SW_R4CNT_L1.2
Net-(D12-A): D12.2 D12#2.2 SW_12.2 SW_R4CNT_C1.2
Net-(D13-A): D13.2 D13#2.2 SW_13.2 SW_R4CNT_R1.2
Net-(D14-A): D14.2 SW_14.2
Net-(D15-A): D15.2 SW_15.2
Net-(D16-A): D16.2 SW_16.2
Net-(D17-A): D17.2 SW_17.2
Net-(D18-A): D18.2 SW_18.2
Net-(D19-A): D19.2 SW_19.2
Net-(D20-A): D20.2 SW_20.2
Net-(D21-A): D21.2 SW_21.2
Net-(D22-A): D22.2 SW_22.2
Net-(D23-A): D23.2 SW_23.2
Net-(D24-A): D24.2 SW_24.2
Net-(D25-A): D25.2 SW_LWIN1.2
Net-(D26-A): D26.2 SW_27.2
Net-(D27-A): D27.2 SW_28.2
Net-(D28-A): D28.2 SW_29.2
Net-(D29-A): D29.2 SW_30.2
Net-(D30-A): D30.2 SW_31.2
Net-(D31-A): D31.2 SW_32.2
Net-(D32-A): D32.2 SW_33.2
Net-(D33-A): D33.2 SW_25.S2
Net-(D34-A): D34.2 SW_26.S2
Net-(J5-CC1): J5.A5 R10.1
Net-(J5-CC2): J5.B5 R11.1
Net-(J8-CC1): J8.A5 R13.1
Net-(J8-CC2): J8.B5 R15.1
Net-(JP1-B): JP1.2 R1.2
Net-(JP3-B): JP3.2 R7.2
Net-(L1-DOUT): L1.1 L2.3
Net-(L2-DOUT): L2.1 L3.3
Net-(L4-DOUT): L4.1 L5.3
Net-(L5-DOUT): L5.1 L6.3
Net-(LS1-Pad1): LS1.1 R9.1
Net-(LS4-Pad1): LS4.1 R14.1
Net-(R6-Pad1): R6.1 Y1.3
Net-(R22-Pad1): R22.1 Y2.3
Net-(SD1-A): F1.2 R12.2 SD1.2
Net-(SD2-A): F2.2 R16.2 SD2.2
Net-(STLED1-A): R1.1 STLED1.2
Net-(STLED2-A): R7.1 STLED2.2
Net-(U3-USB_DM): R3.1 U3.46
Net-(U3-USB_DP): R2.1 U3.47
Net-(U3-XIN): U3.20 Y1.1
Net-(U3-XOUT): R6.2 U3.21
Net-(U5-USB_DM): R18.1 U5.46
Net-(U5-USB_DP): R17.1 U5.47
Net-(U5-XIN): U5.20 Y2.1
Net-(U5-XOUT): R22.2 U5.21

Pads without a net: D1 1; D1#2 1; D2 1; D2#2 1; D3 1; D3#2 1; D3#4 1; D4 1; D4#2 1; D4#3 1; D5 1; D6 1; D7#2 1; D9 1; D11 1; D12#2 1; D13 1; EXT_MC2 1; EXT_MC3 1; EXT_MC4 1; EXT_MR0 1; EXT_MR2 1; EXT_MR4 1; EXT_MR5 1; EXT_MR6 1; EXT_TC3 1; EXT_TC4 1; EXT_TR0 1; EXT_TR1 1; EXT_TR4 1; H1 1; H1#2 1; H1#3 1; H2 1; H2#2 1; H2#3 1; H3 1; H3#2 1; H3#3 1; H4#2 1; H5#2 1; H6 1; H6#2 1; H7 1; H8 1; H_btm_1 1; H_btm_2 1; H_btm_3 1; H_btm_4 1; H_btm_5 1; H_btm_6 1; H_top_1 1; H_top_2 1; H_top_3 1; H_top_4 1; H_top_6 1; J5 A8 B8; J6 A5 A8 B5 B8; J7 A5 A8 B5 B8; J8 A8 B8; L3 1; L6 1; SW_'1 1; SW_;1 1; SW_[1 1; SW_]1 1; SW_BS1 1; SW_G1 1; SW_H1 1; SW_P1 1; SW_Q1 1; SW_R1 1; SW_R4CNT_C1 1; SW_R4CNT_L1 1; SW_R4CNT_R1 1; SW_T1 1; SW_TAB1 1; SW_U1 1; SW_Y1 1; T_C0/C6 1; T_R0 1; T_R4 1; U4 9; U6 9

## Via types
v1: diameter 0.8, hole 0.4, Top to Bottom, 115 vias
v2: diameter 0.6, hole 0.35, Top to Bottom, 2 vias

## Routing (per net, layer and track width the routed paths; a pad name or vN(x,y) marks a point on that pad's centre or on a via; arc(x,y) is an arc through that point)
+1V1: length 22.6
  Top w0.381: v1(267.56,64.05) 268.86,64.05 270.46,65.65 v1(270.46,68.25) ; v2(268.26,56.55) 268.26,59.55 v2(268.36,59.65)
  Bottom w0.2: C14.1 267.21,69.12 267.21,65.74 267.26,65.69 U3.45 267.26,64.64 267.61,64.29 ; C3.1 271.25,68.53 270.73,68.53 v1(270.46,68.25) 270.46,67.74 269.26,66.54 U3.50 ; C4.1 268.26,56.43 v2(268.26,56.55) 268.46,56.75 U3.23
+3V3: length 127.3
  Top w0.381: v1(266.81,37.5) 266.81,42.55 257.21,52.15 v1(257.21,69.45)
  Bottom w0.2: 268.86,65.85 268.86,65.57 U3.48 268.46,64.45 268.58,64.34 269.36,64.34 ; 268.86,65.85 268.86,66.72 269.67,67.53 269.67,68.61 C5.1 ; 268.86,65.85 U3.49 268.86,64.64 269.16,64.34 269.36,64.34 ; 268.98,59.04 267.48,59.04 266.56,59.95 266.56,60.45 266.28,60.74 U3.33 ; 268.98,59.04 268.86,58.91 U3.22 268.86,56.03 C6.1 ; 268.98,59.04 271.44,59.04 271.76,59.35 271.76,60.62 271.87,60.74 U3.10 274.1,60.74 C10.1 ; C8.1 263.75,60.74 U3.33 ; C9.1 266.46,67.87 U3.43 266.46,64.35 266.44,64.34 U3.42 266.58,64.34 266.66,64.25 ; C15.1 266.81,68.52 266.81,65.58 266.86,65.53 U3.44 266.86,64.45 266.66,64.25 ; 269.36,64.34 U3.1 ; 266.66,64.25 266.66,61.24 266.16,60.74 U3.33 ; U3.1 273.86,64.34 C11.1 ; U3.1 271.96,64.34
  Bottom w0.381: C13.1 C12.1 272.33,70.76 U4.8 274.55,72.25 R4.1 ; 257.96,74.92 257.21,74.92 v1(257.21,69.45) 257.21,67.95 259.95,65.21 262.92,65.21 263.46,64.67 C7.1 ; v1(266.81,37.5) JP1.1 ; U1.2 259.2,74.92 264.94,69.17 C9.1 ; U1.2 250.43,83.62 C2.1
  Bottom w0.5: v1(264.56,64.65) 264.54,64.67 C7.1
+5V: length 186.2
  Top w0.5: v1(163.56,67.25) 163.56,56.65 162.99,56.08 162.99,44.4 163.29,44.1 L1.4 163.79,43.48 162.99,42.68 162.99,39.64 163.29,39.34 L2.4 163.79,38.48 162.99,37.68 162.99,35.03 163.44,34.57 L3.4 ; v1(253.41,66.11) 253.41,80.37 v1(255.79,82.75) 258.39,85.35 262.73,85.35 264.29,86.92 274.84,86.92 v1(279,82.75)
  Bottom w0.381: J6.A4 281.7,82.82 282.46,82.05 282.46,78.68 281.7,77.92 J6.A9
  Bottom w0.5: v1(279,82.75) 280.83,82.75 J6.A4 ; v1(253.41,66.11) 252.47,67.05 163.76,67.05 v1(163.56,67.25) ; C1.1 252.73,83.14 U1.3 252.93,81.42 SD1.1 v1(255.79,82.75)
GND: length 6.4
  Bottom w0.2: U3.19 270.06,56.99 270.86,56.19 v1(270.86,54.95)
  Bottom w0.25: v1(276.06,64.64) 275.98,64.55 C11.2 ; v1(279.96,67.35) 279.55,66.95 U4.4
  vias: v1(0.94,155.61) v1(0.94,143.11) v1(5.11,138.94) v1(6.89,157.99) v1(6.89,152.04) v1(10.47,145.49) v1(13.61,155.38) v1(20.59,146.68) v1(21.18,157.99) v1(23.56,141.48) v1(23.56,138.94) v1(27.13,149.06) v1(37.25,157.99) v1(37.25,154.42) v1(39.64,138.94) v1(41.42,153.83) v1(41.42,146.09) v1(41.42,140.73) v1(67.51,200.8) v1(67.51,188.89) v1(67.51,182.34) v1(84.77,200.8) v1(84.77,190.08) v1(84.77,182.34) v1(86.56,169.84) v1(86.56,163.29) v1(102.72,187.21) v1(103.82,200.8) v1(103.82,180.56) v1(103.82,163.29) v1(106.72,172.41) v1(121.09,163.29) v1(122.87,200.8) v1(122.87,190.08) v1(122.87,182.34) v1(140.14,200.8) v1(140.14,182.34) v1(264.96,66.85) v1(319.48,251.82) v1(319.48,245.86) v1(320.08,263.72) v1(336.75,244.67) v1(338.53,232.77) v1(339.13,226.81) v1(346.27,263.72) v1(347.46,224.43) v1(348.65,207.76) v1(355.8,243.48) v1(359.97,216.69) v1(360.56,248.84) v1(360.56,228.6) v1(365.32,207.17) v1(374.85,263.72) v1(374.85,239.91) v1(374.85,229.79) v1(374.85,219.08) v1(379.61,216.69) v1(384.37,207.17) v1(389.14,249.44) v1(392.71,228.6) v1(393.9,243.48) v1(401.04,207.76) v1(402.23,224.43) v1(403.42,263.72) v1(410.57,226.81) v1(412.95,244.67) v1(429.62,263.72) v1(429.62,245.86)
GND_R: length 25
  Top w0.25: 365.32,224.43 365.32,214.91
  Bottom w0.25: 351.04,217.75 351.07,217.78 362.45,217.78 365.32,214.91
VBUS: length 28.8
  Bottom w0.381: 267.69,85.73 267.03,85.06 J5.A4 ; J5.A9 271.93,85.13 271.33,85.73
  Bottom w0.5: 263.56,81.35 267.39,81.35 D36.4 ; 263.56,81.35 263.05,81.85 ; 263.56,81.35 262.96,81.35 ; 262.96,81.85 262.96,81.35 ; 262.96,81.85 263.05,81.85 ; 262.96,81.85 262.96,84.94 264.76,86.74 266.79,86.74 267.69,85.84 267.69,85.73 268.02,86.05 271,86.05 271.33,85.73 ; 262.96,81.35 262.36,81.35 ; 263.05,81.85 262.87,81.85 262.36,81.35 ; 262.36,81.35 F1.1
(no net): length 587.6
  Top w0.25: H6#2.1 115.05,182.26 v1(116.35,182.26) ; v1(359.07,211.18) 359.07,221.78 v1(351.21,229.65) 351.21,233.06 340.79,243.48 H3.1 ; SW_BS1.1 12.75,139.45 14.88,139.45 16.01,140.58 29.93,140.58 SW_P1.1 29.96,141.26 29.96,144.33 28.51,145.78 28.51,149.47 T_C0/C6.1 ; T_R0.1 8.72,156.25 H3#3.1 39.69,151.8 38,150.12 D3.1 ; H_top_4.1 v1(359.37,226.98)
  Bottom w0.25: SW_TAB1.1 17.24,140.58 31.18,140.58 32.31,139.45 34.38,139.45 SW_Q1.1 35.96,141.04 35.96,148.47 30.01,154.42 T_C0/C6.1 6.02,154.42 H1#3.1 ; D1#2.1 72.87,193.65 EXT_TR0.1 75.25,193.65 82.39,193.65 H1#2.1 87,193.81 108.48,193.81 D3#2.1 ; H6.1 393.34,226.18 378.17,226.18 377.37,226.98 v1(359.37,226.98) ; SW_R1.1 336.75,247.06 H3.1 ; D1.1 6.43,150.12 T_R0.1 ; D2.1 89.57,192.96 119.79,192.96 H3#2.1 125.98,192.92 D4#3.1 127.67,192.96 129.91,192.96 131.8,194.85 EXT_TR4.1 ; H4#2.1 89.53,179.37 D5.1 91.18,173.87 EXT_TR1.1 94.3,174.6 D6.1 ; D3#4.1 326,255.85 326.03,255.88 328.41,255.88 328.45,255.85 333.64,255.85 H1.1 342.7,258.96 EXT_MR0.1 349.85,258.96 H_top_1.1 ; v1(116.35,182.26) 116.35,183.86 SW_Y1.1 116.95,183.81 129.41,183.81 131.61,186.01 133.8,186.01 SW_T1.1 ; EXT_TC4.1 119,167.46 SW_'1.1 114.75,163.21 105.9,163.21 103.45,165.66 103.45,170.66 H6#2.1 ; SW_U1.1 423.87,248.93 419.8,248.93 417.05,246.18 384.69,246.18 EXT_MC2.1 376.49,237.98 359.55,237.98 SW_G1.1 ; D4#2.1 416.06,255.85 H2.1 407.15,258.96 403.58,255.39 EXT_MR4.1 403.42,255.53 400,258.96 H_top_3.1 ; SW_R4CNT_L1.1 v1(359.07,211.18)
